# KiCad board fmc_memory_adapter.kicad_pcb (continued)
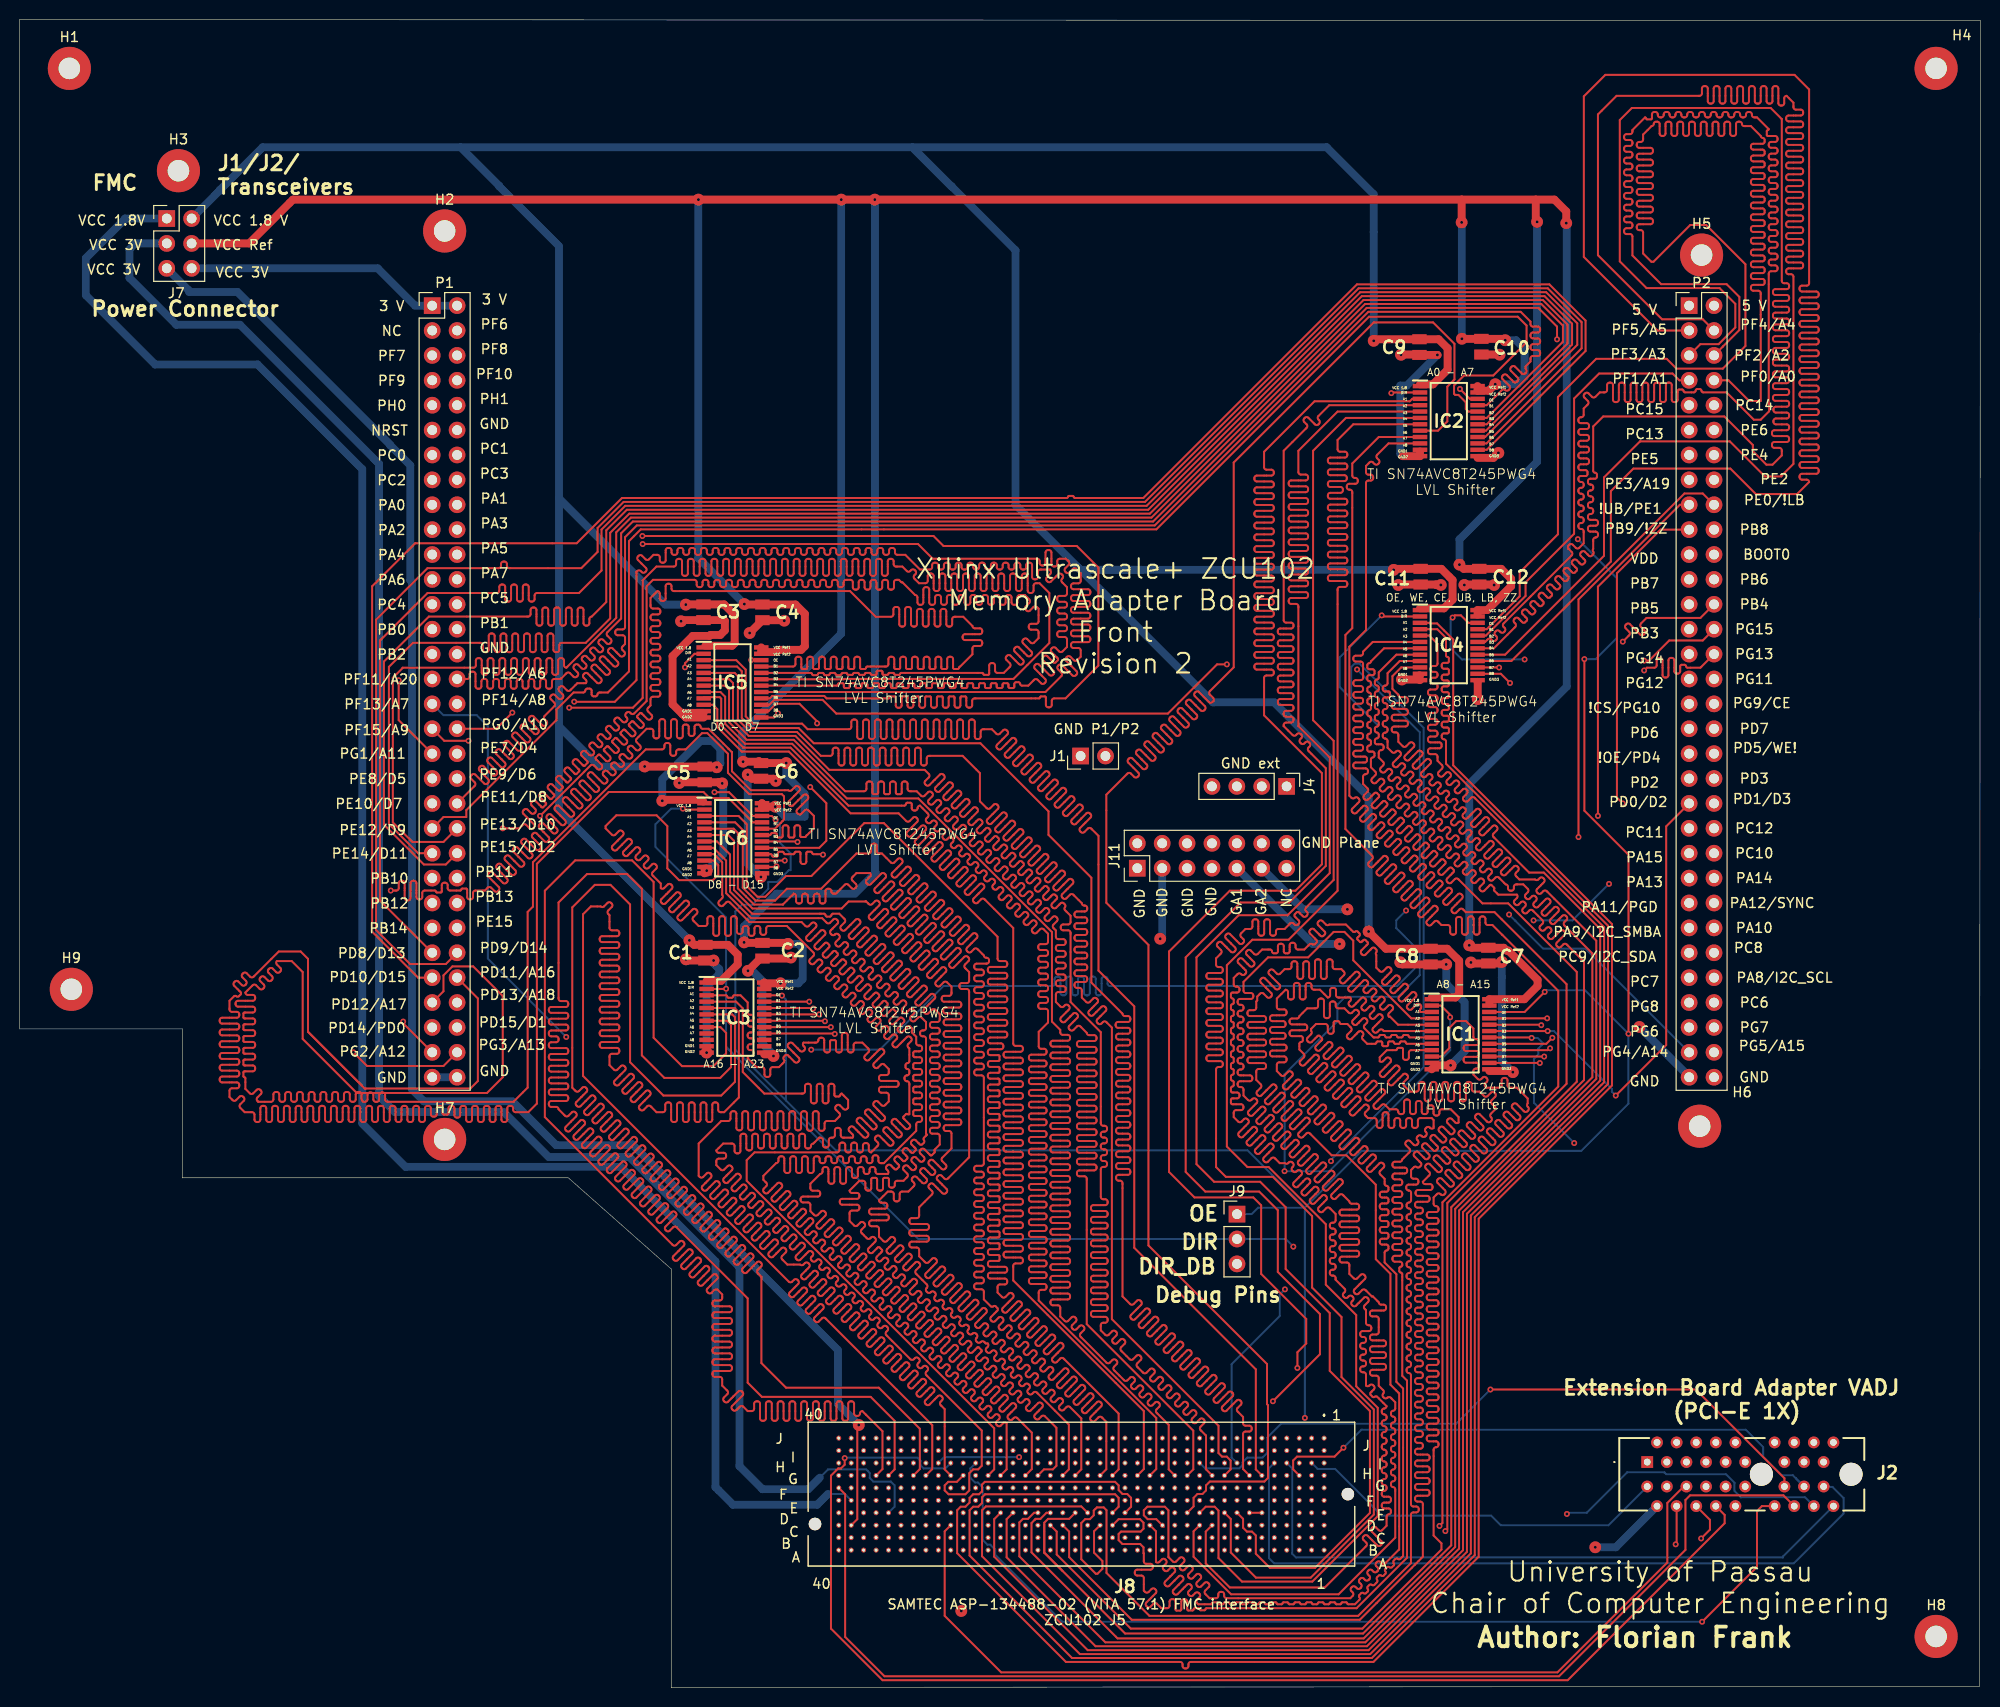
[diagram p0: board, top side]
## Routing (per net, layer and track width the routed paths; a pad name or vN(x,y) marks a point on that pad's centre or on a via; arc(x,y) is an arc through that point) (continued)
Net-(IC5-A5): length 200
  Top w0.2: J8.G12 119.78,22.25 119.78,26.2 108.9,37.07 108.9,51.92 arc(108.83,52.09) 108.66,52.16 108.14,52.16 arc(107.97,52.23) 107.9,52.4 107.9,52.52 arc(107.97,52.69) 108.14,52.76 109.66,52.76 arc(109.83,52.83) 109.9,53 109.9,53.12 arc(109.83,53.29) 109.66,53.36 108.14,53.36 arc(107.97,53.43) 107.9,53.6 107.9,53.72 arc(107.97,53.89) 108.14,53.96 109.66,53.96 arc(109.83,54.03) 109.9,54.2 109.9,54.32 arc(109.83,54.49) 109.66,54.56 108.14,54.56 arc(107.97,54.63) 107.9,54.8 107.9,54.92 arc(107.97,55.09) 108.14,55.16 109.66,55.16 arc(109.83,55.23) 109.9,55.4 109.9,55.52 arc(109.83,55.69) 109.66,55.76 108.14,55.76 arc(107.97,55.83) 107.9,56 107.9,56.12 arc(107.97,56.29) 108.14,56.36 109.66,56.36 arc(109.83,56.43) 109.9,56.6 109.9,56.72 arc(109.83,56.89) 109.66,56.96 108.14,56.96 arc(107.97,57.03) 107.9,57.2 107.9,57.32 arc(107.97,57.49) 108.14,57.56 109.66,57.56 arc(109.83,57.63) 109.9,57.8 109.9,57.92 arc(109.83,58.09) 109.66,58.16 108.14,58.16 arc(107.97,58.23) 107.9,58.4 107.9,58.52 arc(107.97,58.69) 108.14,58.76 109.66,58.76 arc(109.83,58.83) 109.9,59 109.9,59.12 arc(109.83,59.29) 109.66,59.36 108.14,59.36 arc(107.97,59.43) 107.9,59.6 107.9,59.72 arc(107.97,59.89) 108.14,59.96 109.66,59.96 arc(109.83,60.03) 109.9,60.2 109.9,60.32 arc(109.83,60.49) 109.66,60.56 108.14,60.56 arc(107.97,60.63) 107.9,60.8 107.9,60.92 arc(107.97,61.09) 108.14,61.16 109.66,61.16 arc(109.83,61.23) 109.9,61.4 109.9,61.52 arc(109.83,61.69) 109.66,61.76 108.14,61.76 arc(107.97,61.83) 107.9,62 107.9,62.12 arc(107.97,62.29) 108.14,62.36 109.66,62.36 arc(109.83,62.43) 109.9,62.6 109.9,62.72 arc(109.83,62.89) 109.66,62.96 108.14,62.96 arc(107.97,63.03) 107.9,63.2 107.9,63.32 arc(107.97,63.49) 108.14,63.56 109.66,63.56 arc(109.83,63.63) 109.9,63.8 109.9,63.92 arc(109.83,64.09) 109.66,64.16 108.14,64.16 arc(107.97,64.23) 107.9,64.4 107.9,64.52 arc(107.97,64.69) 108.14,64.76 109.66,64.76 arc(109.83,64.83) 109.9,65 109.9,65.12 arc(109.83,65.29) 109.66,65.36 108.14,65.36 arc(107.97,65.43) 107.9,65.6 107.9,65.72 arc(107.97,65.89) 108.14,65.96 109.66,65.96 arc(109.83,66.03) 109.9,66.2 109.9,66.32 arc(109.83,66.49) 109.66,66.56 109.14,66.56 arc(108.97,66.63) 108.9,66.8 108.25,67.46 arc(108.08,67.53) 107.91,67.46 107.54,67.09 arc(107.37,67.02) 107.2,67.09 107.12,67.17 arc(107.05,67.34) 107.12,67.51 107.94,68.34 arc(108.01,68.51) 107.94,68.68 107.86,68.76 arc(107.69,68.83) 107.52,68.76 106.69,67.94 arc(106.52,67.87) 106.35,67.94 106.27,68.02 arc(106.2,68.19) 106.27,68.36 107.09,69.19 arc(107.16,69.36) 107.09,69.53 107.01,69.61 arc(106.84,69.68) 106.67,69.61 106.55,69.49 arc(106.38,69.42) 106.21,69.49 105.75,69.95 105.75,70.72 arc(105.82,70.89) 105.99,70.96 106.51,70.96 arc(106.68,71.03) 106.75,71.2 106.75,71.32 arc(106.68,71.49) 106.51,71.56 105.99,71.56 arc(105.82,71.63) 105.75,71.8 105.75,71.92 arc(105.82,72.09) 105.99,72.16 106.51,72.16 arc(106.68,72.23) 106.75,72.4 106.75,72.52 arc(106.68,72.69) 106.51,72.76 105.99,72.76 arc(105.82,72.83) 105.75,73 105.75,73.12 arc(105.82,73.29) 105.99,73.36 106.51,73.36 arc(106.68,73.43) 106.75,73.6 106.75,73.72 arc(106.68,73.89) 106.51,73.96 105.99,73.96 arc(105.82,74.03) 105.75,74.2 105.75,74.32 arc(105.82,74.49) 105.99,74.56 106.51,74.56 arc(106.68,74.63) 106.75,74.8 106.75,74.92 arc(106.68,75.09) 106.51,75.16 105.99,75.16 arc(105.82,75.23) 105.75,75.4 105.75,75.52 arc(105.82,75.69) 105.99,75.76 106.51,75.76 arc(106.68,75.83) 106.75,76 106.75,76.12 arc(106.68,76.29) 106.51,76.36 105.99,76.36 arc(105.82,76.43) 105.75,76.6 105.75,77.25 105.5,77.5 arc(105.43,77.67) 105.5,77.84 105.87,78.21 arc(105.94,78.38) 105.87,78.55 105.78,78.63 arc(105.61,78.7) 105.44,78.63 105.08,78.26 arc(104.91,78.19) 104.74,78.26 104.65,78.35 arc(104.58,78.52) 104.65,78.69 105.02,79.06 arc(105.09,79.23) 105.02,79.39 104.93,79.48 arc(104.76,79.55) 104.59,79.48 104.23,79.11 arc(104.06,79.04) 103.89,79.11 103.8,79.2 arc(103.73,79.37) 103.8,79.54 104.17,79.9 arc(104.24,80.07) 104.17,80.24 104.09,80.33 arc(103.92,80.4) 103.75,80.33 103.38,79.96 arc(103.21,79.89) 103.04,79.96 102.95,80.05 arc(102.88,80.22) 102.95,80.39 103.32,80.75 arc(103.39,80.92) 103.32,81.09 103.24,81.18 arc(103.07,81.25) 102.9,81.18 102.53,80.81 arc(102.36,80.74) 102.19,80.81 102.11,80.89 arc(102.04,81.06) 102.11,81.23 102.47,81.6 arc(102.54,81.77) 102.47,81.94 102.39,82.03 arc(102.22,82.1) 102.05,82.03 101.68,81.66 arc(101.51,81.59) 101.34,81.66 101.26,81.74 arc(101.19,81.91) 101.26,82.08 101.62,82.45 arc(101.69,82.62) 101.62,82.79 101.54,82.87 arc(101.37,82.94) 101.2,82.87 100.83,82.51 arc(100.66,82.44) 100.49,82.51 100.41,82.59 arc(100.34,82.76) 100.41,82.93 100.78,83.3 arc(100.85,83.47) 100.78,83.64 100.69,83.72 arc(100.52,83.79) 100.35,83.72 99.98,83.36 arc(99.81,83.28) 99.64,83.36 99.56,83.44 arc(99.49,83.61) 99.56,83.78 99.93,84.15 arc(100,84.32) 99.93,84.49 99.84,84.57 arc(99.67,84.64) 99.5,84.57 99.14,84.2 arc(98.97,84.13) 98.8,84.2 98.71,84.29 arc(98.64,84.46) 98.71,84.63 99.08,85 arc(99.15,85.16) 99.08,85.33 98.99,85.42 arc(98.82,85.49) 98.65,85.42 98.29,85.05 arc(98.12,84.98) 97.95,85.05 97.86,85.14 arc(97.79,85.31) 97.86,85.48 98.23,85.84 arc(98.3,86.01) 98.23,86.18 98.15,86.27 arc(97.98,86.34) 97.81,86.27 97.44,85.9 arc(97.27,85.83) 97.1,85.9 97.01,85.99 arc(96.94,86.16) 97.01,86.32 97.38,86.69 arc(97.45,86.86) 97.38,87.03 97.3,87.12 arc(97.13,87.19) 96.96,87.12 96.59,86.75 arc(96.42,86.68) 96.25,86.75 96.17,86.83 arc(96.1,87) 96.17,87.17 96.53,87.54 arc(96.6,87.71) 96.53,87.88 96.45,87.97 arc(96.28,88.04) 96.11,87.97 95.74,87.6 arc(95.57,87.53) 95.4,87.6 95.32,87.68 arc(95.25,87.85) 95.32,88.02 95.68,88.39 arc(95.76,88.56) 95.68,88.73 95.6,88.81 arc(95.43,88.88) 95.26,88.81 94.89,88.45 arc(94.72,88.38) 94.55,88.45 94.47,88.53 arc(94.4,88.7) 94.47,88.87 94.84,89.24 arc(94.91,89.41) 94.84,89.58 94.75,89.66 arc(94.58,89.73) 94.41,89.66 94.04,89.29 arc(93.87,89.22) 93.71,89.29 93.62,89.38 arc(93.55,89.55) 93.62,89.72 93.99,90.09 arc(94.06,90.26) 93.99,90.43 93.9,90.51 arc(93.73,90.58) 93.56,90.51 93.2,90.14 arc(93.03,90.07) 92.86,90.14 92.77,90.23 arc(92.7,90.4) 92.77,90.57 93.14,90.93 arc(93.21,91.1) 93.14,91.27 93.05,91.36 arc(92.88,91.43) 92.71,91.36 92.35,90.99 arc(92.18,90.92) 92.01,90.99 91.55,91.45 90.86,91.45 arc(90.69,91.52) 90.62,91.69 90.62,92.21 arc(90.55,92.38) 90.38,92.45 90.26,92.45 arc(90.09,92.38) 90.02,92.21 90.02,91.3 arc(89.98,91.2) 89.87,91.15 89.57,91.15 arc(89.46,91.2) 89.42,91.3 89.42,92.21 arc(89.35,92.38) 89.18,92.45 89.06,92.45 arc(88.89,92.38) 88.82,92.21 88.82,91.3 arc(88.78,91.2) 88.67,91.15 88.37,91.15 arc(88.26,91.2) 88.22,91.3 88.22,92.21 arc(88.15,92.38) 87.98,92.45 87.86,92.45 arc(87.69,92.38) 87.62,92.21 87.62,91.3 arc(87.58,91.2) 87.47,91.15 87.17,91.15 arc(87.06,91.2) 87.02,91.3 87.02,92.21 arc(86.95,92.38) 86.78,92.45 86.66,92.45 arc(86.49,92.38) 86.42,92.21 86.42,91.69 arc(86.35,91.52) 86.18,91.45 84.25,91.45 79,96.7 74.2,96.7 72.4,98.5 72.4,101.8 71.97,102.23 IC5.7
Net-(IC5-A6): length 200
  Top w0.2: IC5.8 71.52,101.58 72,101.1 72,98.33 74.03,96.3 78.84,96.3 84.42,90.72 91.72,90.72 105.35,77.08 105.35,67.95 106.2,67.1 106.2,66.83 arc(106.27,66.66) 106.44,66.59 106.96,66.59 arc(107.13,66.52) 107.2,66.35 107.2,66.23 arc(107.13,66.06) 106.96,65.99 105.44,65.99 arc(105.27,65.92) 105.2,65.75 105.2,65.63 arc(105.27,65.46) 105.44,65.39 106.96,65.39 arc(107.13,65.32) 107.2,65.15 107.2,65.03 arc(107.13,64.86) 106.96,64.79 105.44,64.79 arc(105.27,64.72) 105.2,64.55 105.2,64.43 arc(105.27,64.26) 105.44,64.19 106.96,64.19 arc(107.13,64.12) 107.2,63.95 107.2,63.83 arc(107.13,63.66) 106.96,63.59 105.44,63.59 arc(105.27,63.52) 105.2,63.35 105.2,63.23 arc(105.27,63.06) 105.44,62.99 106.96,62.99 arc(107.13,62.92) 107.2,62.75 107.2,62.63 arc(107.13,62.46) 106.96,62.39 105.44,62.39 arc(105.27,62.32) 105.2,62.15 105.2,62.03 arc(105.27,61.86) 105.44,61.79 106.96,61.79 arc(107.13,61.72) 107.2,61.55 107.2,61.43 arc(107.13,61.26) 106.96,61.19 105.44,61.19 arc(105.27,61.12) 105.2,60.95 105.2,60.83 arc(105.27,60.66) 105.44,60.59 106.96,60.59 arc(107.13,60.52) 107.2,60.35 107.2,60.23 arc(107.13,60.06) 106.96,59.99 105.44,59.99 arc(105.27,59.92) 105.2,59.75 105.2,59.63 arc(105.27,59.46) 105.44,59.39 106.96,59.39 arc(107.13,59.32) 107.2,59.15 107.2,59.03 arc(107.13,58.86) 106.96,58.79 105.44,58.79 arc(105.27,58.72) 105.2,58.55 105.2,58.43 arc(105.27,58.26) 105.44,58.19 106.96,58.19 arc(107.13,58.12) 107.2,57.95 107.2,57.83 arc(107.13,57.66) 106.96,57.59 105.44,57.59 arc(105.27,57.52) 105.2,57.35 105.2,57.23 arc(105.27,57.06) 105.44,56.99 106.96,56.99 arc(107.13,56.92) 107.2,56.75 107.2,56.63 arc(107.13,56.46) 106.96,56.39 105.44,56.39 arc(105.27,56.32) 105.2,56.15 105.2,56.03 arc(105.27,55.86) 105.44,55.79 106.96,55.79 arc(107.13,55.72) 107.2,55.55 107.2,55.43 arc(107.13,55.26) 106.96,55.19 105.44,55.19 arc(105.27,55.12) 105.2,54.95 105.2,54.83 arc(105.27,54.66) 105.44,54.59 106.96,54.59 arc(107.13,54.52) 107.2,54.35 107.2,54.23 arc(107.13,54.06) 106.96,53.99 105.44,53.99 arc(105.27,53.92) 105.2,53.75 105.2,53.63 arc(105.27,53.46) 105.44,53.39 106.96,53.39 arc(107.13,53.32) 107.2,53.15 107.2,53.03 arc(107.13,52.86) 106.96,52.79 105.44,52.79 arc(105.27,52.72) 105.2,52.55 105.2,52.43 arc(105.27,52.26) 105.44,52.19 106.96,52.19 arc(107.13,52.12) 107.2,51.95 107.2,51.83 arc(107.13,51.66) 106.96,51.59 105.44,51.59 arc(105.27,51.52) 105.2,51.35 105.2,51.23 arc(105.27,51.06) 105.44,50.99 106.96,50.99 arc(107.13,50.92) 107.2,50.75 107.2,50.63 arc(107.13,50.46) 106.96,50.39 105.44,50.39 arc(105.27,50.32) 105.2,50.15 105.2,50.03 arc(105.27,49.86) 105.44,49.79 106.96,49.79 arc(107.13,49.72) 107.2,49.55 107.2,49.43 arc(107.13,49.26) 106.96,49.19 105.44,49.19 arc(105.27,49.12) 105.2,48.95 105.2,48.83 arc(105.27,48.66) 105.44,48.59 106.96,48.59 arc(107.13,48.52) 107.2,48.35 107.2,48.23 arc(107.13,48.06) 106.96,47.99 105.44,47.99 arc(105.27,47.92) 105.2,47.75 105.2,47.63 arc(105.27,47.46) 105.44,47.39 106.96,47.39 arc(107.13,47.32) 107.2,47.15 107.2,47.03 arc(107.13,46.86) 106.96,46.79 105.44,46.79 arc(105.27,46.72) 105.2,46.55 105.2,46.43 arc(105.27,46.26) 105.44,46.19 106.96,46.19 arc(107.13,46.12) 107.2,45.95 107.2,45.83 arc(107.13,45.66) 106.96,45.59 105.44,45.59 arc(105.27,45.52) 105.2,45.35 105.2,45.23 arc(105.27,45.06) 105.44,44.99 106.96,44.99 arc(107.13,44.92) 107.2,44.75 107.2,44.63 arc(107.13,44.46) 106.96,44.39 105.44,44.39 arc(105.27,44.32) 105.2,44.15 105.2,44.03 arc(105.27,43.86) 105.44,43.79 106.96,43.79 arc(107.13,43.72) 107.2,43.55 107.2,43.43 arc(107.13,43.26) 106.96,43.19 105.44,43.19 arc(105.27,43.12) 105.2,42.95 105.2,42.83 arc(105.27,42.66) 105.44,42.59 106.96,42.59 arc(107.13,42.52) 107.2,42.35 107.2,42.23 arc(107.13,42.06) 106.96,41.99 105.44,41.99 arc(105.27,41.92) 105.2,41.75 105.2,41.63 arc(105.27,41.46) 105.44,41.39 106.96,41.39 arc(107.13,41.32) 107.2,41.15 107.2,41.03 arc(107.13,40.86) 106.96,40.79 105.44,40.79 arc(105.27,40.72) 105.2,40.55 105.2,40.43 arc(105.27,40.26) 105.44,40.19 106.96,40.19 arc(107.13,40.12) 107.2,39.95 107.2,39.83 arc(107.13,39.66) 106.96,39.59 105.44,39.59 arc(105.27,39.52) 105.2,39.35 105.2,39.23 arc(105.27,39.06) 105.44,38.99 105.96,38.99 arc(106.13,38.92) 106.2,38.75 106.2,37.86 106.66,37.4 arc(106.83,37.33) 107,37.4 107.37,37.77 arc(107.54,37.84) 107.71,37.77 107.79,37.68 arc(107.86,37.51) 107.79,37.34 107.42,36.98 arc(107.35,36.81) 107.42,36.64 107.51,36.55 arc(107.68,36.48) 107.85,36.55 108.18,36.88 arc(108.35,36.95) 108.52,36.88 108.6,36.8 arc(108.67,36.63) 108.6,36.46 108.27,36.13 arc(108.2,35.96) 108.27,35.79 110.92,33.14 arc(111.09,33.07) 111.26,33.14 111.53,33.42 arc(111.7,33.49) 111.87,33.42 111.96,33.33 arc(112.03,33.16) 111.96,33 111.68,32.72 arc(111.61,32.55) 111.68,32.38 112.72,31.34 arc(112.89,31.27) 113.06,31.34 113.33,31.62 arc(113.5,31.69) 113.67,31.62 113.76,31.53 arc(113.83,31.36) 113.76,31.19 113.48,30.92 arc(113.41,30.75) 113.48,30.58 113.57,30.49 arc(113.74,30.42) 113.91,30.49 114.18,30.77 arc(114.35,30.84) 114.52,30.77 114.61,30.69 arc(114.68,30.52) 114.61,30.35 114.33,30.07 arc(114.26,29.9) 114.33,29.73 114.41,29.64 arc(114.58,29.57) 114.75,29.64 115.03,29.92 arc(115.2,29.99) 115.37,29.92 115.46,29.84 arc(115.53,29.67) 115.46,29.5 115.18,29.22 arc(115.11,29.05) 115.18,28.88 115.26,28.8 arc(115.43,28.73) 115.6,28.8 115.88,29.07 arc(116.05,29.14) 116.22,29.07 116.3,28.99 arc(116.37,28.82) 116.3,28.65 116.03,28.37 arc(115.96,28.2) 116.03,28.03 117.27,26.79 117.27,22.25 J8.G13
Net-(IC5-A7): length 200.1
  Top w0.2: IC5.9 69.81,101.01 69.85,101.05 71.45,101.05 71.6,100.9 71.6,98.17 73.87,95.9 78.67,95.9 84.59,89.99 90.29,89.99 arc(90.4,90.03) 90.44,90.13 arc(90.49,90.24) 90.59,90.28 90.89,90.28 arc(91,90.24) 91.04,90.13 91.04,89.73 arc(91.11,89.56) 91.28,89.49 91.4,89.49 arc(91.57,89.56) 91.64,89.73 91.64,89.75 arc(91.71,89.92) 91.88,89.99 92.7,89.17 arc(92.77,89) 92.7,88.83 92.54,88.68 arc(92.47,88.51) 92.54,88.34 92.63,88.25 arc(92.8,88.18) 92.97,88.25 93.12,88.41 arc(93.29,88.48) 93.46,88.41 93.55,88.32 arc(93.62,88.15) 93.55,87.98 93.39,87.83 arc(93.32,87.66) 93.39,87.49 93.48,87.4 arc(93.65,87.33) 93.82,87.4 93.97,87.56 arc(94.14,87.63) 94.31,87.56 94.39,87.47 arc(94.46,87.3) 94.39,87.13 94.24,86.98 arc(94.17,86.81) 94.24,86.64 94.32,86.56 arc(94.49,86.49) 94.66,86.56 94.82,86.71 arc(94.99,86.78) 95.16,86.71 95.24,86.63 arc(95.31,86.46) 95.24,86.29 95.09,86.13 arc(95.02,85.96) 95.09,85.79 95.17,85.71 arc(95.34,85.64) 95.51,85.71 95.67,85.86 arc(95.84,85.93) 96.01,85.86 96.09,85.78 arc(96.16,85.61) 96.09,85.44 95.94,85.28 arc(95.87,85.11) 95.94,84.94 96.02,84.86 arc(96.19,84.79) 96.36,84.86 96.52,85.01 arc(96.69,85.08) 96.86,85.01 96.94,84.93 arc(97.01,84.76) 96.94,84.59 96.79,84.43 arc(96.72,84.27) 96.79,84.1 96.87,84.01 arc(97.04,83.94) 97.21,84.01 97.36,84.17 arc(97.53,84.24) 97.7,84.17 97.79,84.08 arc(97.86,83.91) 97.79,83.74 97.63,83.59 arc(97.56,83.42) 97.63,83.25 97.72,83.16 arc(97.89,83.09) 98.06,83.16 98.21,83.32 arc(98.38,83.39) 98.55,83.32 98.64,83.23 arc(98.71,83.06) 98.64,82.89 98.48,82.74 arc(98.41,82.57) 98.48,82.4 98.57,82.31 arc(98.74,82.24) 98.91,82.31 99.06,82.47 arc(99.23,82.54) 99.4,82.47 99.49,82.38 arc(99.56,82.21) 99.49,82.04 99.33,81.89 arc(99.26,81.72) 99.33,81.55 99.42,81.47 arc(99.59,81.39) 99.76,81.47 99.91,81.62 arc(100.08,81.69) 100.25,81.62 100.33,81.53 arc(100.4,81.36) 100.33,81.2 99.97,80.83 arc(99.9,80.66) 99.97,80.49 100.05,80.4 arc(100.22,80.33) 100.39,80.4 100.76,80.77 arc(100.93,80.84) 101.1,80.77 101.18,80.69 arc(101.25,80.52) 101.18,80.35 100.82,79.98 arc(100.75,79.81) 100.82,79.64 100.9,79.56 arc(101.07,79.49) 101.24,79.56 101.61,79.92 arc(101.78,79.99) 101.95,79.92 102.03,79.84 arc(102.1,79.67) 102.03,79.5 101.66,79.13 arc(101.59,78.96) 101.66,78.79 101.75,78.71 arc(101.92,78.64) 102.09,78.71 102.46,79.07 arc(102.63,79.14) 102.79,79.07 102.88,78.99 arc(102.95,78.82) 102.88,78.65 102.51,78.28 arc(102.44,78.11) 102.51,77.94 102.6,77.86 arc(102.77,77.79) 102.94,77.86 103.3,78.23 arc(103.47,78.3) 103.64,78.23 103.73,78.14 arc(103.8,77.97) 103.73,77.8 103.36,77.43 arc(103.29,77.26) 103.36,77.1 103.45,77.01 arc(103.62,76.94) 103.79,77.01 104.15,77.38 arc(104.32,77.45) 104.49,77.38 104.95,76.92 104.95,76.09 arc(104.88,75.92) 104.71,75.85 104.19,75.85 arc(104.02,75.78) 103.95,75.61 103.95,75.49 arc(104.02,75.32) 104.19,75.25 104.71,75.25 arc(104.88,75.18) 104.95,75.01 104.95,74.89 arc(104.88,74.72) 104.71,74.65 104.19,74.65 arc(104.02,74.58) 103.95,74.41 103.95,74.29 arc(104.02,74.12) 104.19,74.05 104.71,74.05 arc(104.88,73.98) 104.95,73.81 104.95,73.69 arc(104.88,73.52) 104.71,73.45 104.19,73.45 arc(104.02,73.38) 103.95,73.21 103.95,73.09 arc(104.02,72.92) 104.19,72.85 104.71,72.85 arc(104.88,72.78) 104.95,72.61 104.95,72.49 arc(104.88,72.32) 104.71,72.25 104.19,72.25 arc(104.02,72.18) 103.95,72.01 103.95,71.89 arc(104.02,71.72) 104.19,71.65 104.71,71.65 arc(104.88,71.58) 104.95,71.41 104.95,71.29 arc(104.88,71.12) 104.71,71.05 104.19,71.05 arc(104.02,70.98) 103.95,70.81 103.95,70.69 arc(104.02,70.52) 104.19,70.45 104.71,70.45 arc(104.88,70.38) 104.95,70.21 104.95,70.09 arc(104.88,69.92) 104.71,69.85 104.19,69.85 arc(104.02,69.78) 103.95,69.61 103.95,69.49 arc(104.02,69.32) 104.19,69.25 104.71,69.25 arc(104.88,69.18) 104.95,69.01 104.95,67.85 104,66.9 104,65.41 arc(104.07,65.24) 104.24,65.17 104.56,65.17 arc(104.73,65.1) 104.8,64.93 104.8,64.81 arc(104.73,64.64) 104.56,64.57 103.24,64.57 arc(103.07,64.5) 103,64.33 103,64.21 arc(103.07,64.04) 103.24,63.97 104.56,63.97 arc(104.73,63.9) 104.8,63.73 104.8,63.61 arc(104.73,63.44) 104.56,63.37 103.24,63.37 arc(103.07,63.3) 103,63.13 103,63.01 arc(103.07,62.84) 103.24,62.77 104.56,62.77 arc(104.73,62.7) 104.8,62.53 104.8,62.41 arc(104.73,62.24) 104.56,62.17 103.24,62.17 arc(103.07,62.1) 103,61.93 103,61.81 arc(103.07,61.64) 103.24,61.57 104.56,61.57 arc(104.73,61.5) 104.8,61.33 104.8,61.21 arc(104.73,61.04) 104.56,60.97 103.24,60.97 arc(103.07,60.9) 103,60.73 103,60.61 arc(103.07,60.44) 103.24,60.37 104.56,60.37 arc(104.73,60.3) 104.8,60.13 104.8,60.01 arc(104.73,59.84) 104.56,59.77 103.24,59.77 arc(103.07,59.7) 103,59.53 103,59.41 arc(103.07,59.24) 103.24,59.17 104.56,59.17 arc(104.73,59.1) 104.8,58.93 104.8,58.81 arc(104.73,58.64) 104.56,58.57 103.24,58.57 arc(103.07,58.5) 103,58.33 103,58.21 arc(103.07,58.04) 103.24,57.97 104.56,57.97 arc(104.73,57.9) 104.8,57.73 104.8,57.61 arc(104.73,57.44) 104.56,57.37 103.24,57.37 arc(103.07,57.3) 103,57.13 103,57.01 arc(103.07,56.84) 103.24,56.77 104.56,56.77 arc(104.73,56.7) 104.8,56.53 104.8,56.41 arc(104.73,56.24) 104.56,56.17 103.24,56.17 arc(103.07,56.1) 103,55.93 103,55.81 arc(103.07,55.64) 103.24,55.57 104.56,55.57 arc(104.73,55.5) 104.8,55.33 104.8,55.21 arc(104.73,55.04) 104.56,54.97 103.24,54.97 arc(103.07,54.9) 103,54.73 103,54.61 arc(103.07,54.44) 103.24,54.37 104.56,54.37 arc(104.73,54.3) 104.8,54.13 104.8,54.01 arc(104.73,53.84) 104.56,53.77 103.24,53.77 arc(103.07,53.7) 103,53.53 103,53.41 arc(103.07,53.24) 103.24,53.17 104.56,53.17 arc(104.73,53.1) 104.8,52.93 104.8,52.81 arc(104.73,52.64) 104.56,52.57 103.24,52.57 arc(103.07,52.5) 103,52.33 103,52.21 arc(103.07,52.04) 103.24,51.97 104.56,51.97 arc(104.73,51.9) 104.8,51.73 104.8,51.61 arc(104.73,51.44) 104.56,51.37 103.24,51.37 arc(103.07,51.3) 103,51.13 103,51.01 arc(103.07,50.84) 103.24,50.77 104.56,50.77 arc(104.73,50.7) 104.8,50.53 104.8,50.41 arc(104.73,50.24) 104.56,50.17 103.24,50.17 arc(103.07,50.1) 103,49.93 103,49.81 arc(103.07,49.64) 103.24,49.57 104.56,49.57 arc(104.73,49.5) 104.8,49.33 104.8,49.21 arc(104.73,49.04) 104.56,48.97 103.24,48.97 arc(103.07,48.9) 103,48.73 103,48.61 arc(103.07,48.44) 103.24,48.37 104.56,48.37 arc(104.73,48.3) 104.8,48.13 104.8,48.01 arc(104.73,47.84) 104.56,47.77 103.24,47.77 arc(103.07,47.7) 103,47.53 103,47.41 arc(103.07,47.24) 103.24,47.17 104.56,47.17 arc(104.73,47.1) 104.8,46.93 104.8,46.81 arc(104.73,46.64) 104.56,46.57 103.24,46.57 arc(103.07,46.5) 103,46.33 103,46.21 arc(103.07,46.04) 103.24,45.97 104.56,45.97 arc(104.73,45.9) 104.8,45.73 104.8,45.61 arc(104.73,45.44) 104.56,45.37 103.24,45.37 arc(103.07,45.3) 103,45.13 103,45.01 arc(103.07,44.84) 103.24,44.77 104.56,44.77 arc(104.73,44.7) 104.8,44.53 104.8,44.41 arc(104.73,44.24) 104.56,44.17 103.24,44.17 arc(103.07,44.1) 103,43.93 103,43.81 arc(103.07,43.64) 103.24,43.57 104.56,43.57 arc(104.73,43.5) 104.8,43.33 104.8,43.21 arc(104.73,43.04) 104.56,42.97 103.24,42.97 arc(103.07,42.9) 103,42.73 103,42.61 arc(103.07,42.44) 103.24,42.37 104.56,42.37 arc(104.73,42.3) 104.8,42.13 104.8,42.01 arc(104.73,41.84) 104.56,41.77 103.24,41.77 arc(103.07,41.7) 103,41.53 103,41.41 arc(103.07,41.24) 103.24,41.17 104.56,41.17 arc(104.73,41.1) 104.8,40.93 104.8,40.81 arc(104.73,40.64) 104.56,40.57 104.24,40.57 arc(104.07,40.5) 104,40.33 104,39.49 116,27.5 116,22.28 J8.G15
Net-(IC5-A8): length 200
  Top w0.2: J8.G16 114.73,22.28 114.73,28.2 101.4,41.53 101.4,43.03 arc(101.47,43.2) 101.64,43.27 102.15,43.27 arc(102.32,43.34) 102.39,43.51 102.39,43.63 arc(102.32,43.8) 102.15,43.87 100.65,43.87 arc(100.48,43.94) 100.41,44.11 100.41,44.23 arc(100.48,44.4) 100.65,44.47 102.15,44.47 arc(102.32,44.54) 102.39,44.71 102.39,44.83 arc(102.32,45) 102.15,45.07 100.65,45.07 arc(100.48,45.14) 100.41,45.31 100.41,45.43 arc(100.48,45.6) 100.65,45.67 102.15,45.67 arc(102.32,45.74) 102.39,45.91 102.39,46.03 arc(102.32,46.2) 102.15,46.27 100.65,46.27 arc(100.48,46.34) 100.41,46.51 100.41,46.63 arc(100.48,46.8) 100.65,46.87 102.15,46.87 arc(102.32,46.94) 102.39,47.11 102.39,47.23 arc(102.32,47.4) 102.15,47.47 100.65,47.47 arc(100.48,47.54) 100.41,47.71 100.41,47.83 arc(100.48,48) 100.65,48.07 102.15,48.07 arc(102.32,48.14) 102.39,48.31 102.39,48.43 arc(102.32,48.6) 102.15,48.67 100.65,48.67 arc(100.48,48.74) 100.41,48.91 100.41,49.03 arc(100.48,49.2) 100.65,49.27 102.15,49.27 arc(102.32,49.34) 102.39,49.51 102.39,49.63 arc(102.32,49.8) 102.15,49.87 100.65,49.87 arc(100.48,49.94) 100.41,50.11 100.41,50.23 arc(100.48,50.4) 100.65,50.47 102.15,50.47 arc(102.32,50.54) 102.39,50.71 102.39,50.83 arc(102.32,51) 102.15,51.07 100.65,51.07 arc(100.48,51.14) 100.41,51.31 100.41,51.43 arc(100.48,51.6) 100.65,51.67 102.15,51.67 arc(102.32,51.74) 102.39,51.91 102.39,52.03 arc(102.32,52.2) 102.15,52.27 100.65,52.27 arc(100.48,52.34) 100.41,52.51 100.41,52.63 arc(100.48,52.8) 100.65,52.87 102.15,52.87 arc(102.32,52.94) 102.39,53.11 102.39,53.23 arc(102.32,53.4) 102.15,53.47 100.65,53.47 arc(100.48,53.54) 100.41,53.71 100.41,53.83 arc(100.48,54) 100.65,54.07 102.15,54.07 arc(102.32,54.14) 102.39,54.31 102.39,54.43 arc(102.32,54.6) 102.15,54.67 100.65,54.67 arc(100.48,54.74) 100.41,54.91 100.41,55.03 arc(100.48,55.2) 100.65,55.27 102.15,55.27 arc(102.32,55.34) 102.39,55.51 102.39,55.63 arc(102.32,55.8) 102.15,55.87 100.65,55.87 arc(100.48,55.94) 100.41,56.11 100.41,56.23 arc(100.48,56.4) 100.65,56.47 102.15,56.47 arc(102.32,56.54) 102.39,56.71 102.39,56.83 arc(102.32,57) 102.15,57.07 100.65,57.07 arc(100.48,57.14) 100.41,57.31 100.41,57.43 arc(100.48,57.6) 100.65,57.67 102.15,57.67 arc(102.32,57.74) 102.39,57.91 102.39,58.03 arc(102.32,58.2) 102.15,58.27 100.65,58.27 arc(100.48,58.34) 100.41,58.51 100.41,58.63 arc(100.48,58.8) 100.65,58.87 102.15,58.87 arc(102.32,58.94) 102.39,59.11 102.39,59.23 arc(102.32,59.4) 102.15,59.47 100.65,59.47 arc(100.48,59.54) 100.41,59.71 100.41,59.83 arc(100.48,60) 100.65,60.07 102.15,60.07 arc(102.32,60.14) 102.39,60.31 102.39,60.43 arc(102.32,60.6) 102.15,60.67 100.65,60.67 arc(100.48,60.74) 100.41,60.91 100.41,61.03 arc(100.48,61.2) 100.65,61.27 102.15,61.27 arc(102.32,61.34) 102.39,61.51 102.39,61.63 arc(102.32,61.8) 102.15,61.87 100.65,61.87 arc(100.48,61.94) 100.41,62.11 100.41,62.23 arc(100.48,62.4) 100.65,62.47 102.15,62.47 arc(102.32,62.54) 102.39,62.71 102.39,62.83 arc(102.32,63) 102.15,63.07 100.65,63.07 arc(100.48,63.14) 100.41,63.31 100.41,63.43 arc(100.48,63.6) 100.65,63.67 102.15,63.67 arc(102.32,63.74) 102.39,63.91 102.39,64.03 arc(102.32,64.2) 102.15,64.27 100.65,64.27 arc(100.48,64.34) 100.41,64.51 100.41,64.63 arc(100.48,64.8) 100.65,64.87 102.15,64.87 arc(102.32,64.94) 102.39,65.11 102.39,65.23 arc(102.32,65.4) 102.15,65.47 101.64,65.47 arc(101.47,65.54) 101.4,65.71 101.4,77.5 98.47,80.43 arc(98.3,80.5) 98.13,80.43 97.78,80.08 arc(97.61,80.01) 97.44,80.08 97.35,80.17 arc(97.28,80.34) 97.35,80.51 98.39,81.55 arc(98.46,81.72) 98.39,81.89 98.31,81.97 arc(98.14,82.04) 97.97,81.97 96.93,80.93 arc(96.76,80.86) 96.59,80.93 96.51,81.02 arc(96.43,81.19) 96.51,81.36 97.54,82.39 arc(97.61,82.56) 97.54,82.73 97.46,82.82 arc(97.29,82.89) 97.12,82.82 96.08,81.78 arc(95.91,81.71) 95.74,81.78 95.66,81.87 arc(95.59,82.04) 95.66,82.21 96.69,83.24 arc(96.77,83.41) 96.69,83.58 96.61,83.67 arc(96.44,83.74) 96.27,83.67 95.23,82.63 arc(95.06,82.56) 94.89,82.63 94.81,82.71 arc(94.74,82.88) 94.81,83.05 95.85,84.09 arc(95.92,84.26) 95.85,84.43 95.76,84.52 arc(95.59,84.59) 95.42,84.52 94.38,83.48 arc(94.21,83.41) 94.04,83.48 93.96,83.56 arc(93.89,83.73) 93.96,83.9 95,84.94 arc(95.07,85.11) 95,85.28 94.91,85.36 arc(94.74,85.43) 94.57,85.36 93.54,84.33 arc(93.37,84.26) 93.2,84.33 93.11,84.41 arc(93.04,84.58) 93.11,84.75 94.15,85.79 arc(94.22,85.96) 94.15,86.13 94.06,86.21 arc(93.89,86.28) 93.73,86.21 92.69,85.17 arc(92.52,85.1) 92.35,85.17 92.26,85.26 arc(92.19,85.43) 92.26,85.6 93.3,86.64 arc(93.37,86.81) 93.3,86.98 93.22,87.06 arc(93.05,87.13) 92.88,87.06 91.84,86.02 arc(91.67,85.95) 91.5,86.02 91.41,86.11 arc(91.34,86.28) 91.41,86.45 92.45,87.49 arc(92.52,87.66) 92.45,87.83 92.37,87.91 arc(92.2,87.98) 92.03,87.91 90.99,86.87 arc(90.82,86.8) 90.65,86.87 90.57,86.96 arc(90.5,87.13) 90.57,87.3 91.6,88.33 arc(91.67,88.5) 91.6,88.67 91.52,88.76 arc(91.35,88.83) 91.18,88.76 90.83,88.41 arc(90.66,88.34) 90.49,88.41 89.7,89.2 84.81,89.2 78.51,95.5 73.7,95.5 71.2,98 71.2,99.83 70.75,100.28 IC5.10
